# Altium PCB DAB_PCB.PcbDoc (part 3 of 3)
Units mil, origin at the board's own origin, x right, y up, seen from the top; angles counter-clockwise.
Board outline 6665.03 x 2844.03 mil, 4 copper layers (Top Layer, GND1, POWER1, Bottom Layer), stack 30.634 mil thick; 251 components, 123 nets, 1376 pads, 1039 vias.
Unrouted connection lines stored in the file: 2.
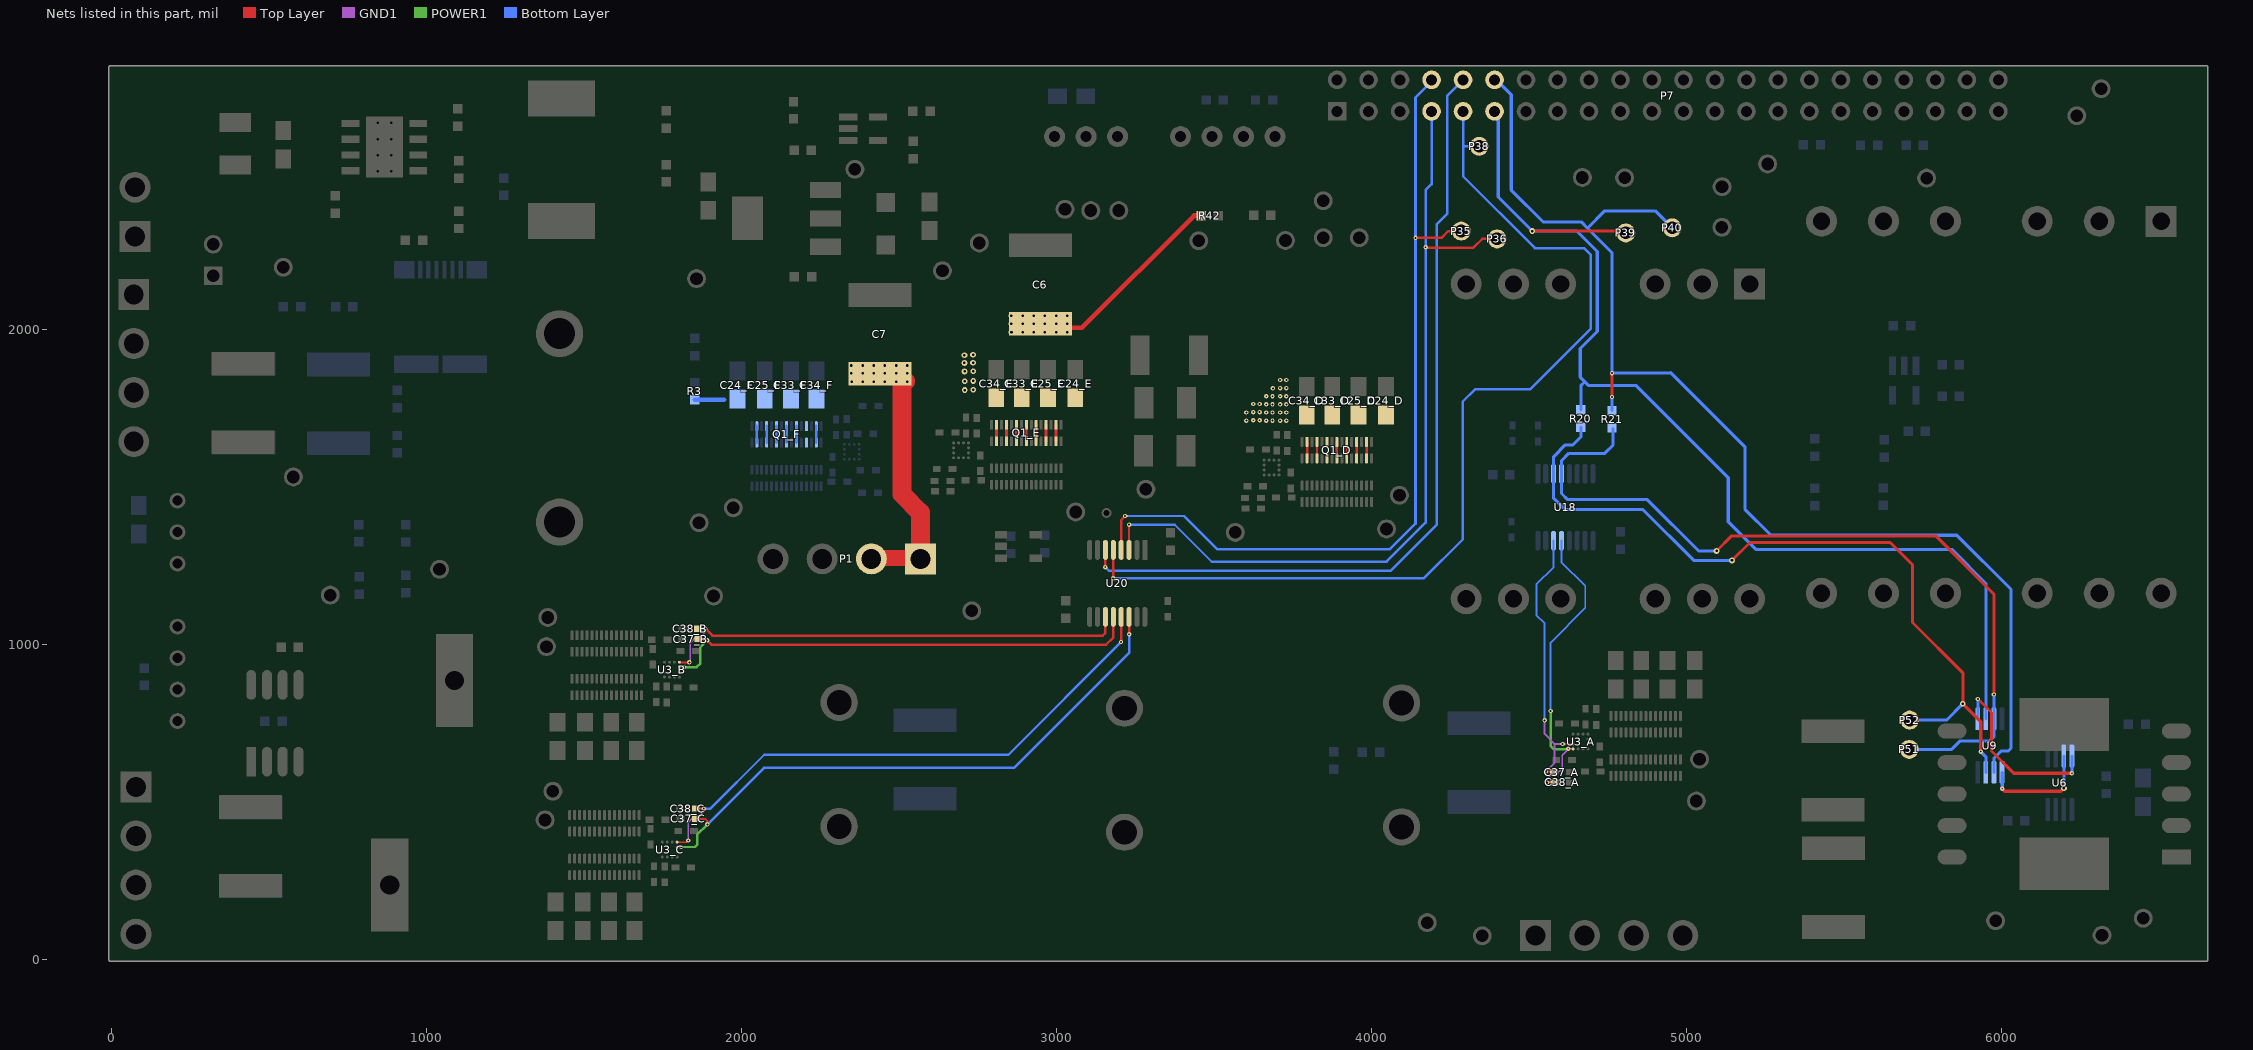
[diagram p5: the nets of this part, all layers, seen from the top]

## Via types
v1: diameter 14, hole 6, Top Layer to Bottom Layer, tented both sides, 440 vias
v2: diameter 18, hole 8, Top Layer to Bottom Layer, 287 vias
v3: diameter 14, hole 6, Top Layer to Bottom Layer, 148 vias
v4: diameter 18, hole 8, Top Layer to Bottom Layer, tented both sides, 136 vias
v5: diameter 30, hole 20, Top Layer to Bottom Layer, tented both sides, 27 vias
v6: diameter 18, hole 8, Top Layer to Bottom Layer, tented top, 1 vias

## Nets (pads, with @x,y where several pads share a name; then routed paths per layer and width w, separated by ;. In a path a pad name is that pad's centre, name@x,y a point inside that pad or via, vN(x,y) a via of type N, cw(c..) or ccw(c..) an arc to the next point about the centre after c; other vN are vias at no path point) (continued)
PWM_4A: P7.7 P36.1 U20.3 | length 2677.1
  Top Layer w7.5: U20.3@3230.5,1301.3 v1(3230.5,1381.5)
  Top Layer w8: v1(4172.36,2262.36) 4171,2261 4324,2261 4352,2289 P36.1@4399,2289
  Bottom Layer w7.5: v1(3230.5,1381.5) 3375.5,1381.5 3493,1264 4048,1264
  Bottom Layer w8: 4048,1264 4172.36,1388.36 v1(4172.36,2262.36) 4172.36,2444.36 4191,2463 P7.7@4191,2694
PWM_4A_OUT: C37_C.2 U3_C.B4 U20.14 | length 1871.7
  Top Layer w6: U3_C.B4@1795.92,358 v1(1808.92,358) ; C37_C.2@1855.92,447 1884.5,447 1891.5,440 v1(1891.5,430)
  Top Layer w8: v1(3230.5,1033.5) U20.14@3230.5,1088.7
  POWER1 w7.5: v1(1808.92,358) 1852,358 1859,365 1859,397.5
  POWER1 w8: 1859,397.5 v1(1891.5,430)
  Bottom Layer w8: v1(1891.5,430) 1892,430 2071,609 2865,609 3230.5,974.5 v1(3230.5,1033.5)
PWM_4B: P7.8 P35.1 U20.4 | length 2700.8
  Top Layer w7.5: U20.4@3204,1305.8 U20.4@3205.5,1304.3 ; U20.4@3205.5,1301.3 U20.4@3205.5,1304.3 ; U20.4@3207,1302.8 U20.4@3205.5,1304.3 ; v1(3218,1409) 3205.5,1396.5 U20.4@3205.5,1304.3
  Top Layer w8: v1(4140,2292) 4222,2292 4243.96,2313.96 P35.1@4285.38,2313.96
  Bottom Layer w7.5: v1(3218,1409) 3405,1409 3510,1304 4059,1304 4140,1385
  Bottom Layer w8: 4140,1385 v1(4140,2292) 4140,2738 4191,2789 P7.8@4191,2794
PWM_4B_OUT: C38_C.2 U3_C.A4 U20.13 | length 1817.4
  Top Layer w6: U3_C.A4@1795.55,373.62 1796.17,373 1825,373 v1(1830.77,378.77) ; C38_C.2@1854.92,480 v1(1880,480)
  Top Layer w8: v1(3205,1009) 3205.5,1009.5 U20.13@3205.5,1088.7
  GND1 w6: v1(1830.77,378.77) 1830.77,436.84 1849.92,456 1864.92,456 1880,471.08 v1(1880,480)
  Bottom Layer w8: v1(1880,480) 1901,480 2072,651 2847,651 v1(3205,1009)
PWM_5A: P7.9 P38.1 U20.5 | length 3187.8
  Top Layer w8: v1(3180,1211) U20.5@3180,1300.8
  Bottom Layer w8: v1(3180,1211) 4166,1211 4290,1335 4290,1772 4329,1811 4504,1811 4697,2004 4697,2238 4675,2260 4519,2260 4291,2488 P7.9@4291,2694 ; 4295,2583 P38.1@4342,2583
PWM_5A_OUT: C37_B.2 U3_B.B4 U20.12 | length 1554
  Top Layer w6: U3_B.B4@1802.92,929.25 v1(1815.92,929.25) ; C37_B.2@1860.92,1015.25 1861.67,1014.5 v1(1890.5,1014.5)
  Top Layer w8: v1(1890.5,1014.5) 1904,1001 3158,1001 3180.5,1023.5 U20.12@3180.5,1088.7
  POWER1 w7.5: v1(1815.92,929.25) 1816.67,928.5 1856.5,928.5 1857.25,929.25
  POWER1 w8: 1857.25,929.25 1869,941 1869,993 v1(1890.5,1014.5)
PWM_5B: P7.10 U20.6 | length 2618.9
  Top Layer w7.5: U20.6@3155,1300.8 U20.6@3155.5,1301.3
  Top Layer w8: v1(3155,1247) U20.6@3155,1300.8
  Bottom Layer w8: v1(3155,1247) 3166,1236 4062,1236 4207,1381 4207,2335 4241,2369 4241,2744 P7.10@4291,2794
PWM_5B_OUT: C38_B.2 U3_B.A4 U20.11 | length 1526
  Top Layer w6: U3_B.A4@1802.55,944.87 1803.17,944.25 v1(1834.25,944.25) ; C38_B.2@1861.92,1051.25 v1(1884.92,1051.25)
  Top Layer w8: v1(1884.92,1051.25) 1907.17,1029 3147,1029 3155.5,1037.5 U20.11@3155.5,1088.7
  GND1 w6: v1(1834.25,944.25) 1837,947 1837,965 ; 1836.92,965.25 1836.92,1007.25 1856.92,1027.25 1871.92,1027.25 1884.92,1040.25 v1(1884.92,1051.25)
PWM_6A: P7.11 P39.1 R20.1 U9.2 | length 3540.7
  Top Layer w10: v4(4511,2314) P39.1@4802,2314
  Bottom Layer w10: P7.11@4391,2694 4403,2682 4403,2422 v4(4511,2314) 4652,2314 4717,2249 4717,1995 4663,1941 4663,1850 4690,1823 4841,1823 5133,1531 5133,1391 5221,1303 5843,1303 5951.2,1194.8 U9.2@5951.2,765 ; R20.1@4665,1746 4665,1823 ; 4666,1823 4665,1823 ; 4676.5,1834.5 4665,1823
PWM_6A_H: P52.1 R20.2 U9.7 U18.3 | length 2497.3
  Top Layer w10: v4(5145,1268) 5202,1325 5647,1325 5718,1254 5718,1071 5878,911 v4(5878,813) 5935,756 v1(5935,661)
  Bottom Layer w10: U18.3@4578,1541.8 U18.3@4578.5,1542.3 ; U18.3@4579,1542.8 U18.3@4578.5,1542.3 ; R20.2@4665,1691 4665,1660 4640,1635 4616,1635 4578.5,1597.5 U18.3@4578.5,1543.3 U18.3@4578.5,1542.3 ; v4(5145,1268) 5023,1268 4861,1430 4614,1430 4578.5,1465.5 U18.3@4578.5,1542.3 ; P52.1@5709,761 5826,761 v4(5878,813) ; v1(5935,661) 5951.2,644.8 U9.7@5951.2,595
PWM_6A_OUT: C37_A.2 U3_A.B4 U18.14 | length 874.3
  Top Layer w6: v1(4554,597.5) C37_A.2@4578.5,597.5 ; v1(4607,685.1) 4639.1,685.1 U3_A.B4@4639.5,685.5 ; U3_A.B4@4640,685 U3_A.B4@4639.5,685.5 ; U3_A.B4@4640,685.5 U3_A.B4@4639.5,685.5
  GND1 w6: v1(4550,760) 4550,717 4582,685 ; v1(4554,597.5) 4582,625.5 4582,685 ; v1@4606.5,685 4582,685
  Bottom Layer w6: v1(4550,760) 4550,1068 4524,1094 4524,1192 4578.5,1246.5 U18.14@4578.5,1330.7
PWM_6B: P7.12 P40.1 R21.1 U9.6 | length 3877.8
  Top Layer w10: v1(4764,1787) v1(4764,1863)
  Bottom Layer w10: P7.12@4391,2794 4397,2794 4444,2747 4444,2444 4545,2343 4666,2343 4686,2323 ; R21.1@4764,1744 v1(4764,1787) ; P40.1@4955,2324 4901,2378 4741,2378 4686,2323 ; U9.6@5976.8,595 5976.8,639.8 6000,663 6022,663 6031,672 6031,1176 5859,1348 5269,1348 5186,1431 5186,1629 4951,1864 4950,1863 v1(4764,1863) 4764,2245 4686,2323
PWM_6B_L: P51.1 R21.2 U9.3 U18.4 | length 2623.7
  Top Layer w10: v4(5096,1298) 5144,1346 5792,1346 5976.8,1161.2 v1(5976.8,842.2)
  Bottom Layer w10: R21.2@4767,1686 4767,1634 4741,1608 4627,1608 4603.5,1584.5 U18.4@4603.5,1543.3 4603.5,1480.5 4623,1461 4876,1461 5039,1298 v4(5096,1298) ; P51.1@5708,668 5842.5,668 5869.5,695 5963.5,695 5976.8,708.3 U9.3@5976.8,765 v1(5976.8,842.2)
PWM_6B_OUT: C38_A.2 U3_A.A4 U18.13 | length 971.2
  Top Layer w6: v1(4558,563) C38_A.2@4581,563 ; v1(4625,670) 4639.76,670 U3_A.A4@4640.38,669.38
  GND1 w6: v1(4558,563) 4558,574 4571,587 4586,587 4606,607 4606,650 4625,669 v1(4625,670)
  POWER1 w8: v1(4569,790) 4569,679 4578.9,669.1 4624.1,669.1 v1(4625,670)
  Bottom Layer w6: v1(4569,790) 4569,1007 4679,1117 4679,1187 4603.5,1262.5 U18.13@4603.5,1330.7
SYN_OUT_H: U6.8 U9.1 | length 584.7
  Top Layer w10: v1(5926,828) 5969,785 5969,663 6039.62,592.38 v1(6224.38,592.38)
  Bottom Layer w10: U9.1@5926,765.39 v1(5926,828) ; v1(6224.38,592.38) U6.8@6224.38,647
SYN_OUT_L: U6.7 U9.5 | length 356.9
  Top Layer w10: v1(6003,543) 6011,535 6189,535 v4(6199,545)
  Bottom Layer w10: v1(6003,543) U9.5@6003,594.39 ; U6.7@6198.79,647 6198.79,545.21 v4(6199,545)
Vdc_Pri+: C6.2 C7.2 C24_D.2 C24_E.2 C24_F.2 C25_D.2 C25_E.2 C25_F.2 C33_D.2 C33_E.2 C33_F.2 C34_D.2 C34_E.2 C34_F.2 P1.1 P1.2 Q1_D.3 Q1_D.4 Q1_D.7 Q1_D.8 Q1_D.11 Q1_D.12 Q1_D.15 Q1_D.16 Q1_D.19 Q1_D.20 Q1_D.23 Q1_D.24 Q1_D.27 Q1_D.28 Q1_E.3 Q1_E.4 Q1_E.7 Q1_E.8 Q1_E.11 Q1_E.12 Q1_E.15 Q1_E.16 Q1_E.19 Q1_E.20 Q1_E.23 Q1_E.24 Q1_E.27 Q1_E.28 Q1_F.3 Q1_F.4 Q1_F.7 Q1_F.8 Q1_F.11 Q1_F.12 Q1_F.15 Q1_F.16 Q1_F.19 Q1_F.20 Q1_F.23 Q1_F.24 Q1_F.27 Q1_F.28 R3.2 R42.1 | length 2410.5
  Top Layer w7.5: Q1_D.4@3795.75,1592 Q1_D.3@3795.75,1644.36 ; Q1_D.8@3827.24,1592 Q1_D.7@3827.24,1644.36 ; Q1_D.16@3890.24,1592 Q1_D.15@3890.24,1644.36 ; Q1_D.20@3921.73,1592 Q1_D.19@3921.73,1644.36 ; Q1_D.24@3953.23,1592 Q1_D.23@3953.23,1644.36 ; Q1_D.28@3984.72,1592 Q1_D.27@3984.72,1644.36
  Top Layer w9: Q1_E.4@2809.75,1646.5 Q1_E.3@2809.75,1698.86 ; Q1_E.8@2841.24,1646.5 Q1_E.7@2841.24,1698.86 ; Q1_E.12@2872.74,1646.5 Q1_E.11@2872.74,1698.86 ; Q1_E.16@2904.24,1646.5 Q1_E.15@2904.24,1698.86 ; Q1_E.20@2935.73,1646.5 Q1_E.19@2935.73,1698.86 ; Q1_E.24@2967.23,1646.5 Q1_E.23@2967.23,1698.86 ; Q1_E.28@2998.72,1646.5 Q1_E.27@2998.72,1698.86
  Top Layer w15: C6.2@3041,2007 3081,2007 3437,2363 R42.1@3459,2363
  Top Layer w50: P1.2@2412,1276 P1.1@2567.91,1276 ; P1.1@2567.91,1273 P1.1@2567.91,1276 ; P1.1@2577,1276 P1.1@2567.91,1276
  Top Layer w60: C7.2@2520,1837 2510,1827 2510,1478 2567.91,1420.09 P1.1@2567.91,1276
  Bottom Layer w9: Q1_F.28@2048.28,1642 Q1_F.27@2048.28,1694.36 ; Q1_F.24@2079.77,1642 Q1_F.23@2079.77,1694.36 ; Q1_F.20@2111.27,1642 Q1_F.19@2111.27,1694.36 ; Q1_F.16@2142.76,1642 Q1_F.15@2142.76,1694.36 ; Q1_F.12@2174.26,1642 Q1_F.11@2174.26,1694.36 ; Q1_F.4@2237.25,1642 Q1_F.3@2237.25,1694.36
  Bottom Layer w15: R3.2@1851,1778 1944,1778
  other v1: 3603,1711.8 3666,1712 3686,1712 3710,1712 3730,1712 3625,1713 3645,1713 3603,1737.6 3666,1737.8 3686,1737.8 3710,1737.8 3730,1737.8 3625,1738.8 3645,1738.8 3666,1763.6 3686,1763.6 3710,1763.6 3730,1763.6 3625,1764.6 3645,1764.6 3666,1789.4 3686,1789.4 3710,1789.4 3730,1789.4 3687,1814.4 3710,1815.2 3730,1815.2 3710,1841 3730,1841
  other v2: 2349.2,1835 2384.6,1835 2420,1835 2455.4,1835 2490.8,1835 2526.2,1835 2349,1862 2384.4,1862 2419.8,1862 2455.2,1862 2490.6,1862 2526,1862 2349,1887 2384.4,1887 2419.8,1887 2455.2,1887 2490.6,1887 2526,1887 2857.2,1993 2892.6,1993 2928,1993 2963.4,1993 2998.8,1993 3034.2,1993 2857,2020 2892.4,2020 2927.8,2020 2963.2,2020 2998.6,2020 3034,2020 2857,2045 2892.4,2045 2927.8,2045 2963.2,2045 2998.6,2045 3034,2045
  other v4: 2709,1809 2736.2,1810 2709,1837 2736.2,1838 2708,1868 2735.2,1869 2707.8,1895 2735,1896 2707.8,1920 2735,1921
pads on no net: L1.3 L1.4 Q1_A. Q1_B. Q1_C. Q1_D. Q1_E. Q1_F. Q2_A. Q2_B. Q2_C. Q2_D. Q2_E. Q2_F. T2.1 T2.3 T2.5 T2.6 T2.7 T2.8 T2.9 T2.10 U5.6 U5.V U6.6 U11.3 U11.5 U11.8 U13.4 U14.3 U14.5 U18.7 U18.11 U18.12 U20.7
copper on no net:
  other v1: 4668.82,-87.25 4700.32,-87.25 4731.82,-87.25 4763.31,-87.25 4794.81,-87.25 4826.3,-87.25 4857.8,-87.25

## Polygon pours and split planes (outlines as drawn)
NetC22_C_1 on Bottom Layer "Top Layer-No Net" (solid, remove dead copper, pour order 990): 818.9,83.4 818.9,394.4 851.5,427 1194.47,427 1354.91,587.4 1444.5,587.4 1444.5,121.58 1353.92,31 871.3,31
NetC3_2 on Bottom Layer "Top Layer-No Net" (solid, remove dead copper, pour order 922): 1758,789 1758,602 1978,602 2093,717 2095.7,714.3 2290.7,714.3 2290.7,919.3 2284,926 1993,926 1856,789
NetC8_1 on Bottom Layer "Top Layer-No Net" (solid, remove dead copper, pour order 920): 297.51,292.49 392,373 520.8,373 854.8,707 1169,707 1183,721 1183,1064 1224.66,1105.66 1365.2,1105.66 1365.2,651.7 1174,460.5 839.9,460.5 782,402.6 782,121 670,9 665,14 432.19,14
Vdc_Pri+ on Bottom Layer "VDC_PRI+_L04_P890" (solid, pour order 892): 4098,1881 4098,1697 3177.47,1697 3103.11,1622.64 2790,1622.64 2790,1697 2697,1790 2697,1937 2827,2067 3944,2067 4098,1913
NetC8_1 on Bottom Layer " " (solid, remove dead copper, pour order 842): 584,226 584,142 456,14 10,14 10,291 584,290.67
NetC3_2 on Bottom Layer "Top Layer-No Net" (solid, remove dead copper, pour order 826): 2688,714.3 2290.7,714.3 2242,763 2242,908.3 2260,926.3 2665,926.3 2688,903.3
POWER_GROUND_SEC on Bottom Layer " " (solid, remove dead copper, pour order 824): 4115.36,550 2272,550 2208,486 2208,346 2304,250 4091.36,250
POWER_GROUND_SEC on Bottom Layer "Top Layer-No Net" (solid, remove dead copper, pour order 816): 4744,485 4717,458 4553,458 4461,550 4093,550 4001,458 4001,318 4069,250 4717,250 4781,186 4781,19 5570,16.91 5570,154 5125,154 5081,198 5081,485
NetC3_2 on Bottom Layer "Top Layer-No Net" (solid, remove dead copper, pour order 812): 4449,706 4082,706 4012,776 4012,900 4030,918 4435,918 4449,904
NetC22_F_1 on Bottom Layer "Top Layer-No Net" (solid, remove dead copper, pour order 781): 1917,1727 1609,1727 1292,1532 1292,1313 1339,1266 1695,1266 1917,1488
POWER_GROUND_PRI on Bottom Layer "Top Layer-No Net" (solid, remove dead copper, pour order 780): 832,1716 307,1716 165,1858 25,1858 25,1857 10,1842 10,1599 26,1583 832,1583
NetL4_1 on Bottom Layer "Top Layer-No Net" (solid, remove dead copper, pour order 779): 1050,1856 1491,1856 1529,1921.4 1529,2012 1485,2056 1473,2068 1144,2068 1050,1974
NetC16_2 on Bottom Layer "Top Layer-No Net" (solid, remove dead copper, pour order 778): 1039,1863 1039,1949 1015,1973 277,1973 166,2084 166,2145 138,2173 6,2173 -8,2159 -8,1920 23,1889 262,1889 303,1848 1033,1848
NetC22_A_1 on Bottom Layer "NETC22_A_1_L04_P771" (solid, remove dead copper, pour order 771): 4754,817 4812,875 5082,875 5082,516.4 4754,516.4
POWER_GROUND_SEC on Bottom Layer "POWER_GROUND_SEC_L04_P763" (solid, remove dead copper, pour order 763): 4571,673.5 4571,560.48 4605.48,511 4730,511 4748,529 4748,673.5
NetC22_C_1 on Bottom Layer "NETC22_C_1_L04_P766" (solid, remove dead copper, pour order 766): 1681.92,226 1739.92,168 1739.92,42 1728.92,31 1353.92,31 1353.92,585 1355.92,587 1681.92,587
POWER_GROUND_SEC on Bottom Layer "POWER_GROUND_SEC_L04_P760" (solid, remove dead copper, pour order 760): 1864.92,354 1864.92,482.52 1792.11,587 1675,587 1675,354
POWER_GROUND_PRI on Bottom Layer "POWER_GROUND_PRI_L04_P764" (solid, remove dead copper, pour order 764): 3590,1554.5 3590,1430.48 3624.48,1381 3749,1381 3758,1390 3758,1554.5
+5V_PRI_1 on Bottom Layer "+5V_PRI_1_L04_P758" (solid, remove dead copper, pour order 759): 2409,1542 2409,1559 2395,1573 2366,1573 2352,1587 2352,1624 2354,1626 2437,1626 2442,1621 2442,1545 2439,1542
POWER_GROUND_PRI on Bottom Layer "Top Layer-No Net" (solid, remove dead copper, pour order 753): 2337,1594 2337,1544 2356,1525 2356,1500 2267,1500 2260,1507 2260,1570 2255,1575 1933,1575 1933,1391 2402,1391 2402,1554 2390,1566 2361.5,1566 2347,1580.5 2347,1594 2343.99,1597.01 2340.01,1597.01
NetC22_F_1 on Bottom Layer "NETC22_F_1_L04_P747" (solid, remove dead copper, pour order 747): 1933,1727 2268,1727 2268,1488 1933,1488
NetR6_F_1 on Bottom Layer "NETR6_F_1_L04_P741" (solid, remove dead copper, pour order 741): 2331,1610 2279,1610 2278,1609 2278,1584 2279,1583 2299,1583 2303,1587 2303,1590 2313,1600 2330,1600 2332,1602 2332,1609
NetR4_F_1 on Bottom Layer "NETR4_F_1_L04_P735" (solid, remove dead copper, pour order 735): 2347,1632 2347,1679 2345,1681 2324,1681 2322,1679 2322,1654 2329,1647 2333,1647 2338,1642 2338,1632
NetC22_F_1 on Bottom Layer "NETC22_F_1_L04_P729" (solid, remove dead copper, pour order 729): 2333,1616 2330,1616 2260,1616 2248,1628 2248,1659 2249,1660 2277.12,1660 2320.05,1630.79 2333,1628.2
NetC22_F_1 on Bottom Layer "NETC22_F_1_L04_P723" (solid, remove dead copper, pour order 723): 2369,1632 2413,1632 2434,1653 2434,1683 2404,1683 2400,1679 2400,1661 2384,1645 2374,1645 2369,1640
NetC22_F_2 on Bottom Layer "NETC22_F_2_L04_P717" (solid, remove dead copper, pour order 717): 2353.5,1631.4 2353.5,1682.5 2354.4,1683.4 2383.1,1683.4 2385.1,1681.4 2385.1,1662.4 2380.1,1657.4 2365.8,1640.9 2363.9,1631.4
NetC8_1 on Bottom Layer "NETC8_1_L04_P767" (solid, remove dead copper, pour order 767): 1688.92,696 1348,696 1348,1104.25 1682.92,1104.25 1688.92,1098.25
POWER_GROUND_SEC on Bottom Layer "POWER_GROUND_SEC_L04_P761" (solid, remove dead copper, pour order 761): 1871.92,928.5 1871.92,1053.77 1837.44,1103.25 1712.92,1103.25 1694.92,1085.25 1694.92,928.5
Vdc_Pri+ on Bottom Layer "Top Layer-No Net" (solid, remove dead copper, pour order 711): 2249,1628 2249,1725 2318,1794 2318,1920 2307,1931 1935,1931 1935,1733.65 2042,1733.65 2042,1628
POWER_GROUND_PRI on Bottom Layer "POWER_GROUND_PRI_L04_P765" (solid, remove dead copper, pour order 765): 2604,1613.5 2604,1484.98 2638.48,1435.5 2763,1435.5 2781,1453.5 2781,1613.5
NetC3_1 on Bottom Layer "Top Layer-No Net" (solid, remove dead copper, pour order 806): 6341,392 5701,392 5556,537 5348,537 5348,256 5390,214 6341,214
Vdc_Pri+ on Bottom Layer "Top Layer-No Net" (solid, pour order 866): 2297.34,1931.57 2290,1932 2525,1932 2543,1914 2543,1776 2536,1769 2280.28,1769
NetC22_D_1 on Bottom Layer "Top Layer-No Net" (solid, remove dead copper, pour order 904): 3775,1682.7 3775,1378 4100,1378 4100,1682.7
NetC22_A_1 on Bottom Layer "Top Layer-No Net" (solid, remove dead copper, pour order 964): 5082,875 5372,1165 5372,1222 5849,1222 5891,1180 5891,1033 5653,795 5371,795 5108,532 5082,532
NetC8_2 on Bottom Layer "Top Layer-No Net" (solid, remove dead copper, pour order 978): 546,438 524,416 234,416 156,338 154,340 33,340 6.2,366.8 6.2,604.2 52,650 475,650 546,579
NetC3_2 on Bottom Layer "Top Layer-No Net" (solid, remove dead copper, pour order 980): 4030,918 3240,918 3182.02,860.02 3149,827 3149,754 3183,720 4073,720 4075,718
NetC4_1 on Bottom Layer "Top Layer-No Net" (solid, remove dead copper, pour order 988): 2790,1633.7 3189.7,1633.7 3189.7,1391.5 2790,1391.5
ANALOG_5V on Top Layer " " (solid, remove dead copper, pour order 854): 2317,2379 2129,2379 2085,2423 1969,2423 1969,2285 1968,2284 2091,2284 2135,2328 2317,2328
NetC29_2 on Top Layer "Top Layer-NetC29_2" (solid, remove dead copper, pour order 954): 943,2518 944,2519 1045,2519 1066,2498 1129,2498 1137,2490 1137,2369 1136,2369 1127,2360 1077,2360 943,2494
POWER_GROUND_PRI on Top Layer "Top Layer-No Net" (solid, remove dead copper, pour order 948): 2264,1394 2259,1389 2259,1341 2277,1341 2313,1305 2313,1225 2304,1216 2029,1216 1932,1313 1932,1394
NetC4_1 on Top Layer "Top Layer-No Net" (solid, pour order 918): 3139,1731 3160,1752 3162,1752 3162,1719 3137,1719
Vdc_Pri+ on Top Layer " " (solid, remove dead copper, pour order 860): 2729,1923 2729,1962 2833,2066 3067,2066 3121,2012 3121,1923
+10V on Top Layer " " (solid, remove dead copper, pour order 852): 1088,2520 1306,2520 1306,2271 1562,2271 1562,2548 1548,2562 1089,2562 1081,2554 1081,2527
NetC29_2 on Top Layer " " (solid, remove dead copper, pour order 850): 943,2518 944,2519 1045,2519 1066,2498 1129,2498 1137,2490 1137,2369 1136,2369 1127,2360 1077,2360 943,2494
NetC26_2 on Top Layer " " (solid, remove dead copper, pour order 848): 945,2644 946,2643 1026,2643 1061,2678 1333,2678 1334,2679 1334,2791 945,2791
NetC28_2 on Top Layer " " (solid, remove dead copper, pour order 846): 791,2618 791,2543 790,2542 664,2542 605,2601 518,2601 518,2691 628,2691 701,2618
NetC8_1 on Top Layer " " (solid, remove dead copper, pour order 838): 6,39 31,14 456,14 584,142 584,292 6,292
NetC8_2 on Top Layer " " (solid, remove dead copper, pour order 834): 510,680 510,570 532,548 533,548 550,531 550,427 463,340 33,340 5,368 5,598 56,649 391,649 422,680
NetL3_2 on Top Layer " " (solid, remove dead copper, pour order 832): 525,675 525,579 839,579 969,709 1171,709 1203,741 1203,1046.17 896.01,1046.01 731.57,881.57 615,765 557,707
NetC22_C_1 on Top Layer " " (solid, remove dead copper, pour order 830): 1377,475 842,475 761,394 761,79 783,57 995,57 1174,236 1377,236
NetC3_2 on Top Layer "NETC3_2_L01_P828" (solid, pour order 828): 1701,783 1871,783 2038,950 2229,950 2229,705.62 2126.38,603 1728.73,603
NetC3_2 on Top Layer "Top Layer-No Net" (solid, remove dead copper, pour order 822): 3882.95,948 3884.95,950 3975,950 4036,1011 4123,1011 4123,747 4050.31,674.31 3821.74,674.31
NetC3_2 on Top Layer "Top Layer-No Net" (solid, remove dead copper, pour order 818): 4304.62,950 2229,950 2153,874 2153,719 2244,628 4227.86,628
NetC3_2 on Top Layer "Top Layer-No Net" (solid, remove dead copper, pour order 814): 4039,679 4039,678 4240.27,479.08 4453,266.35 4453,19.26 4474,-1.74 4715.26,-1.74 4735,18 4735,319 4461,593 4461,716
NetC3_2 on Top Layer "Top Layer-No Net" (solid, remove dead copper, pour order 808): 4759.04,1011 4123,1011 4012,900 4012,706 4039,679 4422,679 4570,827 4777.56,827
+5V_SEC on Top Layer "+5V_SEC_L01_P756" (solid, remove dead copper, pour order 756): 4605,622 4605,639 4619,653 4648,653 4662,667 4662,704 4660,706 4577,706 4572,701 4572,625 4575,622
POWER_GROUND_SEC on Top Layer "Top Layer-No Net" (solid, remove dead copper, pour order 750): 4677,674 4677,626 4658,607 4658,580 4747,580 4754,587 4754,650 4759,655 5092,655 5092,511 4634.88,511 4612,546.83 4612,634 4624,646 4651.5,646 4667,661.5 4667,674 4670.02,677.01 4673.98,677.01
NetC22_A_1 on Top Layer "NETC22_A_1_L01_P744" (solid, remove dead copper, pour order 744): 5093,807 4740,807 4740,568 5093,568
NetR6_A_1 on Top Layer "NETR6_A_1_L01_P738" (solid, remove dead copper, pour order 738): 4683,690 4735,690 4736,689 4736,664 4735,663 4715,663 4711,667 4711,670 4701,680 4684,680 4682,682 4682,689
NetR4_A_1 on Top Layer "NETR4_A_1_L01_P732" (solid, remove dead copper, pour order 732): 4667,712 4667,759 4669,761 4690,761 4692,759 4692,734 4685,727 4681,727 4676,722 4676,712
NetC22_A_1 on Top Layer "NETC22_A_1_L01_P726" (solid, remove dead copper, pour order 726): 4681,696 4684,696 4754,696 4766,708 4766,739 4765,740 4736.88,740 4693.95,710.79 4681,708.2
NetC22_A_1 on Top Layer "NETC22_A_1_L01_P720" (solid, remove dead copper, pour order 720): 4645,712 4601,712 4580,733 4580,763 4610,763 4614,759 4614,741 4630,725 4640,725 4645,720
NetC22_A_2 on Top Layer "NETC22_A_2_L01_P714" (solid, remove dead copper, pour order 714): 4660.9,711.4 4660.9,762.1 4659.6,763.4 4630.9,763.4 4628.9,761.4 4628.9,742.4 4633.9,737.4 4648.2,720.9 4650.1,711.4
NetC3_2 on Top Layer "Top Layer-No Net" (solid, remove dead copper, pour order 708): 4765,708 4765,805 4696,874 4696,1000 4707,1011 5079,1011 5079,813.65 4972,813.65 4972,708
+5V_SEC on Top Layer "+5V_SEC_L01_P753" (solid, remove dead copper, pour order 754): 1830.92,421 1830.92,404 1816.92,390 1787.92,390 1773.92,376 1773.92,339 1775.92,337 1858.92,337 1863.92,342 1863.92,418 1860.92,421
POWER_GROUND_SEC on Top Layer "Top Layer-No Net" (solid, remove dead copper, pour order 748): 1758.92,369 1758.92,419.92 1777.92,438.92 1777.92,463 1688.92,463 1681.92,456 1681.92,393 1676.92,388 1354.92,388 1354.92,586 1766.56,586 1823.92,496.17 1823.92,409 1811.92,397 1785,397 1768.92,380.92 1768.92,369 1765.91,365.99 1761.94,365.99
NetC22_C_1 on Top Layer "NETC22_C_1_L01_P742" (solid, remove dead copper, pour order 742): 1354.92,236 1695.92,236 1695.92,475 1354.92,475
NetR6_C_1 on Top Layer "NETR6_C_1_L01_P736" (solid, remove dead copper, pour order 736): 1752.92,353 1700.92,353 1699.92,354 1699.92,379 1700.92,380 1720.92,380 1724.92,376 1724.92,373 1734.92,363 1751.92,363 1753.92,361 1753.92,354
NetR4_C_1 on Top Layer "NETR4_C_1_L01_P730" (solid, remove dead copper, pour order 730): 1768.92,331 1768.92,284 1766.92,282 1745.92,282 1743.92,284 1743.92,309 1750.92,316 1754.92,316 1759.5,320.58 1759.5,331
NetC22_C_1 on Top Layer "NETC22_C_1_L01_P724" (solid, remove dead copper, pour order 724): 1754.92,347 1751.92,347 1681.92,347 1669.92,335 1669.92,304 1670.92,303 1699.04,303 1741.98,332.21 1754.92,334.8
NetC22_C_1 on Top Layer "NETC22_C_1_L01_P718" (solid, remove dead copper, pour order 718): 1790.92,331 1834.92,331 1855.92,310 1855.92,280 1825.92,280 1821.92,284 1821.92,302 1805.92,318 1795.92,318 1790.92,323
NetC22_C_2 on Top Layer "NETC22_C_2_L01_P712" (solid, remove dead copper, pour order 712): 1775,331.6 1775,280.92 1776.33,279.6 1805.02,279.6 1807.02,281.6 1807.02,300.6 1802.02,305.6 1787.72,322.1 1785.82,331.6
NetC3_2 on Top Layer "Top Layer-No Net" (solid, remove dead copper, pour order 706): 1670.92,335 1670.92,238 1739.92,169 1739.92,43 1728.92,32 1356.92,32 1356.92,229.35 1463.92,229.35 1463.92,335
POWER_GROUND_PRI on Top Layer "POWER_GROUND_PRI_L01_P768" (solid, remove dead copper, pour order 768): 2260,1737 2307,1784 2307,1932 1932,1932 1932,1390 2260,1390
POWER_GROUND_PRI on Top Layer "POWER_GROUND_PRI_L01_P762" (solid, pour order 762): 2443,1609 2443,1391 2266,1391 2266,1609
+5V_PRI_1 on Top Layer "+5V_PRI_1_L01_P668" (solid, remove dead copper, pour order 757): 3624,1494 3624,1509 3638,1523 3672.5,1523 3681,1531.5 3681,1574 3679,1576 3596,1576 3591,1571 3591,1495 3592,1494
POWER_GROUND_PRI on Top Layer "Top Layer-No Net" (solid, remove dead copper, pour order 751): 3696,1544 3696,1509.5 3677,1490.5 3677,1450 3766,1450 3773,1457 3773,1520 3778,1525 4100,1525 4100,1336 3682.62,1336 3631,1416.83 3631,1504 3643,1516 3670,1516 3686,1532 3686,1544 3689.02,1547.01 3692.98,1547.01
NetC22_D_1 on Top Layer "NETC22_D_1_L01_P745" (solid, remove dead copper, pour order 745): 4128,1678 3759,1678 3759,1438 4128,1438
NetR6_D_1 on Top Layer "NETR6_D_1_L01_P739" (solid, remove dead copper, pour order 739): 3702,1560 3754,1560 3755,1559 3755,1534 3754,1533 3734,1533 3730,1537 3730,1540 3720,1550 3703,1550 3701,1552 3701,1559
NetR4_D_1 on Top Layer "NETR4_D_1_L01_P733" (solid, remove dead copper, pour order 733): 3686,1582 3686,1629 3688,1631 3709,1631 3711,1629 3711,1604 3704,1597 3700,1597 3695,1592 3695,1582
NetC22_D_1 on Top Layer "NETC22_D_1_L01_P727" (solid, remove dead copper, pour order 727): 3700,1566 3703,1566 3773,1566 3785,1578 3785,1609 3784,1610 3755.88,1610 3712.95,1580.79 3700,1578.2
NetC22_D_1 on Top Layer "NETC22_D_1_L01_P721" (solid, remove dead copper, pour order 721): 3664,1582 3611,1582 3599,1594 3599,1633 3629,1633 3633,1629 3633,1617 3664,1586
NetC22_D_2 on Top Layer "NETC22_D_2_L01_P715" (solid, remove dead copper, pour order 715): 3679.9,1581.4 3679.9,1632.1 3678.6,1633.4 3649.9,1633.4 3647.9,1631.4 3647.9,1612.4 3652.9,1607.4 3667.2,1590.9 3669.1,1581.4
Vdc_Pri+ on Top Layer "Top Layer-No Net" (solid, remove dead copper, pour order 709): 3784,1578 3771.44,1686.87 3588,1688.67 3588,1743 3726,1881 4098,1881 4098,1683.65 3991,1683.65 3991,1578
+5V_SEC on Top Layer "+5V_SEC_L01_P755" (solid, remove dead copper, pour order 755): 1837.92,992.25 1837.92,975.25 1823.92,961.25 1794.92,961.25 1780.92,947.25 1780.92,910.25 1782.92,908.25 1865.92,908.25 1870.92,913.25 1870.92,989.25 1867.92,992.25
POWER_GROUND_SEC on Top Layer "Top Layer-No Net" (solid, remove dead copper, pour order 749): 1759.5,946.67 1759.5,987.5 1784.92,1012.92 1784.92,1034.25 1695.92,1034.25 1688.92,1027.25 1688.92,964.25 1683.92,959.25 1317,959.25 1317,1166 1767.97,1166 1830.92,1067.42 1830.92,980.25 1818.92,968.25 1791.25,968.25 1775.92,952.92 1775.92,940.25 1772.91,937.23 1768.94,937.23
NetC8_1 on Top Layer "NETC8_1_L01_P743" (solid, remove dead copper, pour order 743): 1318,807.25 1702.92,807.25 1702.92,1046.25 1318,1046.25
NetC8_1 on Top Layer "NETC8_1_L01_P725" (solid, remove dead copper, pour order 725): 1761.92,918.25 1758.92,918.25 1688.92,918.25 1676.92,906.25 1676.92,875.25 1677.92,874.25 1706.04,874.25 1748.98,903.46 1761.92,906.05
NetC3_2 on Top Layer "Top Layer-No Net" (solid, remove dead copper, pour order 707): 1677.92,906.25 1677.92,809.25 1746.92,740.25 1746.92,614.25 1735.92,603.25 1347,603.25 1347,800.6 1470.92,800.6 1470.92,906.25
NetR6_B_1 on Top Layer "NETR6_B_1_L01_P737" (solid, remove dead copper, pour order 737): 1759.92,924.25 1707.92,924.25 1706.92,925.25 1706.92,950.25 1707.92,951.25 1727.92,951.25 1731.92,947.25 1731.92,944.25 1741.92,934.25 1758.92,934.25 1760.92,932.25 1760.92,925.25
NetR4_B_1 on Top Layer "NETR4_B_1_L01_P731" (solid, remove dead copper, pour order 731): 1775.92,902.25 1775.92,855.25 1773.92,853.25 1752.92,853.25 1750.92,855.25 1750.92,880.25 1757.92,887.25 1761.92,887.25 1766.92,892.25 1766.92,902.25
NetC8_1 on Top Layer "NETC8_1_L01_P719" (solid, remove dead copper, pour order 719): 1797.92,902.25 1841.92,902.25 1862.92,881.25 1862.92,851.25 1832.92,851.25 1828.92,855.25 1828.92,873.25 1812.92,889.25 1802.92,889.25 1797.92,894.25
NetC22_B_2 on Top Layer "NETC22_B_2_L01_P713" (solid, remove dead copper, pour order 713): 1782.02,902.84 1782.02,852.15 1783.33,850.84 1812.02,850.84 1814.02,852.84 1814.02,871.84 1794.52,894.34 1792.82,902.84
Vdc_Pri+ on Top Layer "Top Layer-No Net" (solid, remove dead copper, pour order 710): 2798,1632.5 2798,1729.5 2729,1798.5 2729,1924.5 2740,1935.5 3121,1935.5 3121,1738.15 3005,1738.15 3005,1632.5
NetC22_E_2 on Top Layer "NETC22_E_2_L01_P716" (solid, remove dead copper, pour order 716): 2693.9,1635.9 2693.9,1686.6 2692.6,1687.9 2663.9,1687.9 2661.9,1685.9 2661.9,1669.1 2680.11,1650.89 2683.1,1635.9
NetC4_1 on Top Layer "NETC4_1_L01_P722" (solid, remove dead copper, pour order 722): 2678,1636.5 2634,1636.5 2613,1657.5 2613,1687.5 2643,1687.5 2647,1683.5 2647,1665.5 2663,1649.5 2673,1649.5 2678,1644.5
NetR4_E_1 on Top Layer "NETR4_E_1_L01_P734" (solid, remove dead copper, pour order 734): 2700,1636.5 2700,1683.5 2702,1685.5 2723,1685.5 2725,1683.5 2725,1658.5 2718,1651.5 2714,1651.5 2709,1646.5 2709,1636.5
NetR6_E_1 on Top Layer "NETR6_E_1_L01_P740" (solid, remove dead copper, pour order 740): 2716,1614.5 2768,1614.5 2769,1613.5 2769,1588.5 2768,1587.5 2748,1587.5 2744,1591.5 2744,1594.5 2734,1604.5 2717,1604.5 2715,1606.5 2715,1613.5
NetC4_1 on Top Layer "NETC4_1_L01_P728" (solid, remove dead copper, pour order 728): 2714,1620.5 2717,1620.5 2787,1620.5 2799,1632.5 2799,1663.5 2798,1664.5 2769.88,1664.5 2726.95,1635.29 2714,1632.7
NetC4_1 on Top Layer "NETC4_1_L01_P746" (solid, remove dead copper, pour order 746): 3114,1731.5 2773,1731.5 2773,1492.5 3114,1492.5
POWER_GROUND_PRI on Top Layer "Top Layer-No Net" (solid, remove dead copper, pour order 752): 2710,1598.5 2710,1550.5 2691,1531.5 2691,1504.5 2780,1504.5 2787,1511.5 2787,1574.5 2792,1579.5 3114,1579.5 3114,1390 2696.94,1390 2645,1471.33 2645,1558.5 2657,1570.5 2686,1570.5 2700,1584.5 2700,1598.5 2703.01,1601.51 2706.99,1601.51
+5V_PRI_1 on Top Layer "+5V_PRI_1_L01_P757" (solid, remove dead copper, pour order 758): 2638,1549.5 2638,1563.5 2652,1577.5 2688.5,1577.5 2695,1584 2695,1628.5 2693,1630.5 2610,1630.5 2605,1625.5 2605,1549.5
NetC4_2 on Top Layer "Top Layer-No Net" (solid, remove dead copper, pour order 790): 4693,2034 4621,1962 3762,1962 3560,1760 3560,1543 3486,1469 3394,1469 3364,1499 3364,2040 3576,2231 3663,2231 4693,2231
NetC4_1 on Top Layer "Top Layer-No Net" (solid, remove dead copper, pour order 800): 3109,1731 3153,1731 3153,1955 3190,1992 3320,1992 3320,1929 3320,1462 3196,1462 3165.5,1492.5 3109,1492.5
Vdc_Pri+ on Top Layer "Top Layer-No Net" (solid, remove dead copper, pour order 876): 2332,1924 2332,1798.5 2739,1798.5 2739,1972 2691,1924
NetC3_2 on Top Layer "Top Layer-No Net" (solid, pour order 880): 1729.45,169 1880,169 1970,259 1970,611 2052,693 2403,693 2196,486 2196,155 2073,32 1718.45,32
NetC28_2 on Top Layer "Top Layer-No Net" (solid, remove dead copper, pour order 890): 244,2690 244,2601 245,2600 609,2600 609,2691
NetL1_1 on Top Layer "Top Layer-No Net" (solid, remove dead copper, pour order 962): 4843,2212 4843,1978 6499,1978 6617,2096 6617,2444 6089,2444 6011,2366 6011,2285 5941,2215
NetT1_4 on Top Layer "Top Layer-No Net" (solid, remove dead copper, pour order 966): 6051,654 6051,1234 6067,1250 6562,1250 6562,1249 6590,1221 6590,1020 6360,790 6360,653
POWER_GROUND_SEC on Top Layer "Top Layer-No Net" (solid, remove dead copper, pour order 970): 5581,236 5581,10 4778,10 4778,236
NetC3_1 on Top Layer "Top Layer-No Net" (solid, remove dead copper, pour order 972): 5354,514 5354,310 5570,310 5570,513 5571,514
NetC3_1 on Top Layer "Top Layer-No Net" (solid, remove dead copper, pour order 976): 5546.81,514 5604,514 5731.5,386.5 5927,386.5 5927,227.5 5926,226.5 5918.5,234 5646,234 5547.18,332.82
NetC16_2 on Top Layer "Top Layer-No Net" (solid, remove dead copper, pour order 982): 827,1943 760,2010 168,2010 168,2180 6,2180 6.2,1897.29 243.71,1897.29 305,1836 827,1836
POWER_GROUND_PRI on Top Layer "Top Layer-No Net" (solid, remove dead copper, pour order 984): 313,1673.49 313,1594 832,1594 834,1592 834,1683 314,1683 313,1684
POWER_GROUND_PRI on Top Layer "Top Layer-No Net" (solid, remove dead copper, pour order 986): 313,1684 145.97,1851.03 6.2,1851.03 6.2,1584 7.2,1583 834,1583 834,1594.83
NetC4_1 on POWER1 "Top Layer-No Net" (none, remove dead copper, pour order 958): 3087,1535 3087,1729 3099,1741 3144,1741 3153,1750 3153,1953 3193,1993 3307,1993 3316,1984 3316,1564 3306,1554 3205,1554 3184,1533 3089,1533
+5V_PRI_1 on POWER1 "Top Layer-No Net" (solid, remove dead copper, pour order 864): 5660,14 5660,917.07 5966,1069.54 5966,2380 5908,2438 5261,2438 5261,2092 5049,1880 3722,1880 3722,1224 -13,1224 -13,2825 -4,2834 3783,2834 3783,2594 6651,2594 6651,14
NetC4_1 on POWER1 "NETC4_1_L03_P777" (solid, remove dead copper, pour order 777): 3090.5,1655 3092.4,1650.4 3109.5,1633.31 3109.5,1545 3110.82,1541.82 3014,1445 2799.5,1445 2784,1460.5 2784,1728.5 2785,1729.5 2795,1741.5 3109.5,1741.5 3109.5,1712.69 3092.4,1695.6 3090.5,1691
ANALOG_5V on POWER1 " " (solid, remove dead copper, pour order 862): 6651,2838.89 6651,2626 3806,2626 3806,2839.75
NetC8_1 on POWER1 "NETC8_1_L03_P838" (solid, remove dead copper, pour order 840): 1531.33,1091.38 968.37,1090.37 171,293 33,293 -3,257 -3,40 23,14 161,14 164,11 167,14 815,14 1639.21,838.21
NetC22_F_1 on POWER1 "Top Layer-No Net" (solid, remove dead copper, pour order 788): 2031,1737 1608.83,1737 1294,1530.99 1294,1310 1338,1266 1338,1265 1854,1265 2033.88,1444.88
NetC22_A_1 on POWER1 "NETC22_A_1_L03_P774" (solid, remove dead copper, pour order 774): 4752,805 4751,804 4751,525.1 5078.1,525.1 5357,804 4996,804 4983,817 4762,817
NetC22_C_1 on POWER1 "NETC22_C_1_L03_P772" (solid, remove dead copper, pour order 772): 1682,235.69 1682,509.92 1671.92,520 1451.92,520 1437.92,506 1437.92,239 1439.92,239 1452.92,226 1673.92,226
NetC22_D_1 on POWER1 "NETC22_D_1_L03_P775" (solid, remove dead copper, pour order 775): 3737,1687 3737,1329.5 4028,1329.5 4028,1674 4015,1674 4002,1687
NetC22_F_1 on POWER1 "NETC22_F_1_L03_P776" (solid, remove dead copper, pour order 776): 2262,1725 2263,1724 2263,1456 2246,1439 2034,1439 2016,1457 2016,1724 2018,1724 2031,1737 2252,1737
NetC8_1 on POWER1 "NETC8_1_L03_P773" (solid, remove dead copper, pour order 773): 1690.92,809.25 1691.92,810.25 1691.92,1078.25 1673.17,1097 1464.68,1097 1444.92,1077.25 1444.92,810.25 1446.92,810.25 1459.92,797.25 1680.92,797.25
NetC22_D_1 on POWER1 "Top Layer-No Net" (solid, remove dead copper, pour order 796): 3971.09,1330 5480,1330 5888,1738 5888,2402 5369,2402 5369,2044 5158,1833 4171,1833 4012,1674 3971.09,1674
+5V_SEC on POWER1 "Top Layer-No Net" (solid, remove dead copper, pour order 878): 12,1193 8,1189 8,4 5092,4 5092,1233 5090,1233 5033,1290 4150,1290 4052,1192 4051,1193
NetC22_A_1 on POWER1 "Top Layer-No Net" (solid, remove dead copper, pour order 810): 4754,807.39 4754,883 4939,1068 5248,1068 5403,1223 5892,1223 5892,1091 5344,793 5117.9,793 5092.33,767.43
NetC3_1 on POWER1 "Top Layer-No Net" (solid, remove dead copper, pour order 968): 5343,523 5343,304 5580,304 5580,523
POWER_GROUND_PRI on GND1 "Top Layer-No Net" (solid, remove dead copper, pour order 870): -2,1223 4068,1223 4281,1436 4281,1438 4899,1438 5101,1236 5101,218 6651,218 6651,2834 -4,2834 -4,1193 -2,1191
POWER_GROUND_SEC on GND1 "Top Layer-No Net" (solid, remove dead copper, pour order 874): -2,1198 -4,1196 -4,0 5078,0 5078,1223 4881,1420 4304,1420 4075,1191 0,1191 0,1.78 -1.74,0.04
POWER_GROUND_SEC on GND1 "Top Layer-No Net" (solid, remove dead copper, pour order 912): 5069,223 5138,154 5571,154 5571,11.22 5367,11.22 5361.78,11.22 5069,11.22

## Keep-outs
Keep-Out Layer:
  circle w10: c1919,2754 r65
  circle w10: c483,78 r65
  circle w10: c2292,78 r65
  circle w10: c3636,78 r65
  circle w10: c6567,82 r65
  circle w10: c6563,2755 r65
  circle w10: c112,2747 r65
  lines w10: -4,0 -4,2834 6651,2834 6651,0 0,0

## Other copper
Top Layer:
  rectangle net Vdc_Pri+: 3750,1691 4077,1759
  rectangle net POWER_GROUND_SEC: 4732,917 5055,985
  rectangle net POWER_GROUND_PRI: 2765,1841.5 3092,1909.5
  rectangle net POWER_GROUND_PRI: 3751,1787 4078,1855
  region net POWER_GROUND_SEC: 1703.92,126 1376.92,126 1376.92,58 1703.92,58
  region net POWER_GROUND_SEC: 1710.92,697.25 1383.92,697.25 1383.92,629.25 1710.92,629.25
  rectangle net NetC3_1: 5925,221 6058,389
  region net NetQ2_A_1: 4709,586 4742,586 4742,604 4758,620 4765.5,620 4765.5,652 4752,652 4742,642 4713,642 4709,638
  region net NetR5_A_1: 4683,719.06 4683,712 4693.42,712 4709.72,723.45 4717,728 4725,733 4725,761 4701,761 4701,735.06
  region net NetR7_A_1: 4696,671 4696,585 4664,585 4664,610 4683,629 4683,674 4693,674
  region net NetQ1_A_1: 4765.5,793.5 4746,813 4665,813 4665,779 4734,779 4755,758 4765.5,758
  region net NetC22_F_1: 2435,1683 2435,1618 2265,1618 2265,1683
  region net NetR7_E_1: 2729,1595.5 2729,1509.5 2697,1509.5 2697,1538.5 2716,1557.5 2716,1598.5 2726,1598.5
  region net NetQ1_E_1: 2798.5,1717.5 2778.5,1737.5 2697.5,1737.5 2697.5,1703.5 2766.5,1703.5 2787.5,1682.5 2798.5,1682.5
  region net NetQ2_E_1: 2742,1510.5 2775,1510.5 2775,1528.5 2791,1544.5 2798,1544.5 2798,1576.5 2785,1576.5 2775,1566.5 2746,1566.5 2742,1562.5
  region net NetR5_E_1: 2716,1643.11 2716,1636.5 2726.42,1636.5 2742.72,1647.95 2750,1652.5 2758,1657.5 2758,1685.5 2734,1685.5 2734,1659.11
  region net NetR7_D_1: 3715,1541 3715,1455 3683,1455 3683,1492.5 3702,1511.5 3702,1544 3712,1544
  region net NetQ1_D_1: 3784.5,1663.5 3765,1683 3684,1683 3684,1649 3753,1649 3774,1628 3784.5,1628
  region net NetQ2_D_1: 3728,1456 3761,1456 3761,1474 3777,1490 3784.5,1490 3784.5,1522 3771,1522 3761,1512 3732,1512 3728,1508
  region net NetR5_D_1: 3702,1589.11 3702,1582 3708.4,1582 3744,1604.25 3744,1631 3720,1631 3720,1605.11
  region net NetR7_C_1: 1739.92,372 1739.92,458 1771.92,458 1771.92,433.42 1753,414.5 1753,369 1742.92,369
  region net NetQ1_C_1: 1670.5,249.42 1689.92,230 1770.92,230 1770.92,264 1701.92,264 1680.92,285 1670.5,285
  region net NetQ2_C_1: 1726.92,457 1693.93,457 1693.92,439 1677.92,423 1670.5,423 1670.5,391 1683.92,391 1693.92,401 1722.92,401 1726.92,405
  region net NetR5_C_1: 1752.92,324.38 1752.92,331 1746.9,331 1710.92,308.51 1710.92,282 1734.92,282 1734.92,308.38
  region net NetR7_B_1: 1746.92,943.25 1746.92,1028 1778.92,1028 1778.92,1004.42 1759.92,985.42 1759.92,940.5 1749.67,940.5
  region net NetQ2_B_1: 1733.92,1028.25 1700.93,1028.25 1700.92,1010.25 1684.67,994 1677.5,994 1677.5,962.25 1690.92,962.25 1700.92,972.25 1729.92,972.25 1733.92,976.25
  region net NetR5_B_1: 1759.92,894.82 1759.92,902.25 1749.5,902.25 1733.2,890.8 1725.92,886.25 1717.92,881.25 1717.92,853.25 1741.92,853.25 1741.92,878.82
  region net NetQ1_B_1: 1677.5,820.67 1696.92,801.25 1777.92,801.25 1777.92,835.25 1708.92,835.25 1687.92,856.25 1677.5,856.25
  region net NetC3_2: 5062.83,1011 5589,1011 5589,670 5447,670 5345,670 5248,670 5104.35,813.65 5062.83,813.65
GND1:
  pour cut-out: 620.5,1929.5 620.5,1851.5 824.5,1851.5 824.5,1929.5
  pour cut-out: 317.5,1930.5 317.5,1852.5 521.5,1852.5 521.5,1930.5
POWER1:
  region net NetC4_1: 3066,1541 3066,1728.23 3079.27,1741.5 3144.5,1741.5 3153,1750 3153,1953 3193,1993 3307,1993 3316,1984 3316,1564 3306,1554 3205,1554 3172,1521 3086,1521
  pour cut-out: 617,1681 617,1603 821,1603 821,1681
  pour cut-out: 313,1684 313,1606 517,1606 517,1684
  pour cut-out: 623,1930 623,1852 827,1852 827,1930
  pour cut-out: 319,1932 319,1854 523,1854 523,1932
  pour cut-out: 1958,1903 1959,1904 2288,1904 2288,1838 1958,1838
  pour cut-out: 2336,1899 2539,1899 2539,1822 2337,1822 2336,1823
  pour cut-out: 2342,2152 2546,2152 2546,2074 2342,2074
  pour cut-out: 2851,2305 3054,2305 3054,2229 2851,2229
  pour cut-out: 2845,2058 3047,2058 3047,1981 2844,1981 2844,2057
  pour cut-out: 4724,982 4723,981 4723,919 5056,919 5058,921 5058,981
  pour cut-out: 5927,386.5 5927,227.5 5926,226.5 5928,224.5 6308,224.5 6308,385.5
  pour cut-out: 4168,908 4167,907 4167,817 4429,817 4430,818 4430,908
  pour cut-out: 2397,916 2397,826 2396,825 2661,825 2661,916 2659,918
  pour cut-out: 1380,123 1686,123 1686,60 1685,59 1380,59
  pour cut-out: 1391,694 1714,694 1715,695 1716,694 1716,631 1391,631 1390,630
  pour cut-out: 342,521 342,444 543,444 546,447 546,521
Bottom Layer:
  region net POWER_GROUND_PRI: 2284,1905 1955,1905 1955,1837 2284,1837
  rectangle net NetC22_F_1: 1908,1488 1946,1727
  rectangle net POWER_GROUND_PRI: 2764,1841.5 3092,1909.69
  pour cut-out: 3109.8,1392.3 3110.6,1391.5 3189.7,1391.5 3189.7,1472.34 3109.8,1472.46
  region net NetC22_A_1: 4579,763 4579,697 4742.5,697 4742.5,763
  region net NetR5_F_1: 2331,1639.11 2331,1632 2320.58,1632 2304.28,1643.45 2297,1648 2289,1653 2289,1681 2313,1681 2313,1655.11
  region net NetQ2_F_1: 2305,1506 2272,1506 2272,1524 2256,1540 2248.5,1540 2248.5,1572 2262,1572 2272,1562 2301,1562 2305,1558
  region net NetQ1_F_1: 2248.5,1713.5 2268,1733 2349,1733 2349,1699 2280,1699 2259,1678 2248.5,1678
  region net NetR7_F_1: 2318,1591 2318,1505 2350,1505 2350,1531 2331,1550 2331,1594 2321,1594
  region net NetC4_1: 2612,1687.5 2612,1622 2782,1622 2782,1687.5
  region net NetC22_D_1: 3598,1633 3598,1568 3768,1568 3768,1633
  region net NetC22_C_1: 1856.92,280 1856.92,345.5 1693,345.5 1693,280
  region net NetC8_1: 1863.92,851.25 1863.92,917.5 1698,917.5 1698,851.25

## Silkscreen, mask and mechanical layers (free items; w line width, h text height)
Top Overlay:
  text "PWM5A" at 4268,2612 h30 r270
  text "Analog_+5V" at 6082,2603 h30
  text "ADC_IOUT" at 4560,2588 h30 r270
  text "ADC_VIN" at 5180,2580 h30 r270
  text "ADC_VPRI" at 5041,2564 h30 r270
  text "+10V" at 2285,2562 h30 r270
  text "ADC_VOUT" at 4691,2559 h30
  text "PWM6B" at 4949,2522 h30 r270
  text "PWM2A" at 3887,2510 h30 r270
  text "PWM3A" at 3964,2490 h30 r270
  text "PWM4A" at 4376,2483 h30 r270
  text "ADC_VSEC" at 5822,2472 h30
  text "PWM1B" at 2773,2459 h30 r270
  text "PWM6A" at 4849,2457 h30 r270
  text "+5V_PRI" at 2919,2443 h30
  text "-5V_PRI" at 3191,2430 h30
  text "PWM4B" at 4185,2383 h30 r270
  text "PRI_GND" at 3085,2294 h30
  text "ADC_IIN" at 1777,2258 h30 r270
  text "PRI_GND" at 4946,2252 h30
  text "PRI_GND" at 3825,2249 h30 r270
  text "Vin+" at 488,2240 h30
  text "PWM1A" at 3450,2239 h30 r270
  text "PWM2B" at 3713,2236 h30 r270
  text "PRI_GND" at 2598,2107 h30
  text "PRI_GND" at 477,1470 h30
  text "+3.3V" at 3107,1463.64 h30
  text "PWM3B" at 3510,1279 h30
  text "GND_SEC" at 1939,1198 h30 r90
  text "+5V_SEC" at 2680,1182 h30
  text "PWM_6A_H" at 5520,824 h30
  text "PWM_6B_L" at 5693,617 h30 r270
  text "ADC_ISEC" at 6180,145 h30
  text "GND_SEC" at 3926,102 h30
  text "VMID" at 5953,45 h30
  text "VDC_SEC+" at 4065,36 h30
  text "Vout-" at -1874,-1618.5 h30
  text "Vout-" at -1785,-1618.5 h30
  text "Vout-" at -1963,-1619.5 h30
  text "Vout-" at -1693,-1619.5 h30

## Text inside footprints (layer, text, board x,y; h text height)
P1: Top Overlay "1" at 2692.31,1304.5 h59.05 r180; Top Overlay "4" at 1999.4,1300.56 h59.05 r180
P2: Top Overlay "4" at 49.44,-19.65 h59.05 r270; Top Overlay "1" at 45.5,673.27 h59.05 r270
P3: Top Overlay "1" at 4396.73,45.5 h59.05; Top Overlay "4" at 5089.65,49.44 h59.05
P4: Top Overlay "4" at 42.44,1544.35 h59.05 r270; Top Overlay "1" at 38.5,2237.27 h59.05 r270
P7: Top Overlay "43" at 6051,2674 h50; Top Overlay "44" at 6051,2774 h50; Top Overlay "1" at 3791,2674 h50; Top Overlay "2" at 3791,2774 h50